# KiCad board rivasmario 96% Hotswap Rp2040.kicad_pcb (continued)
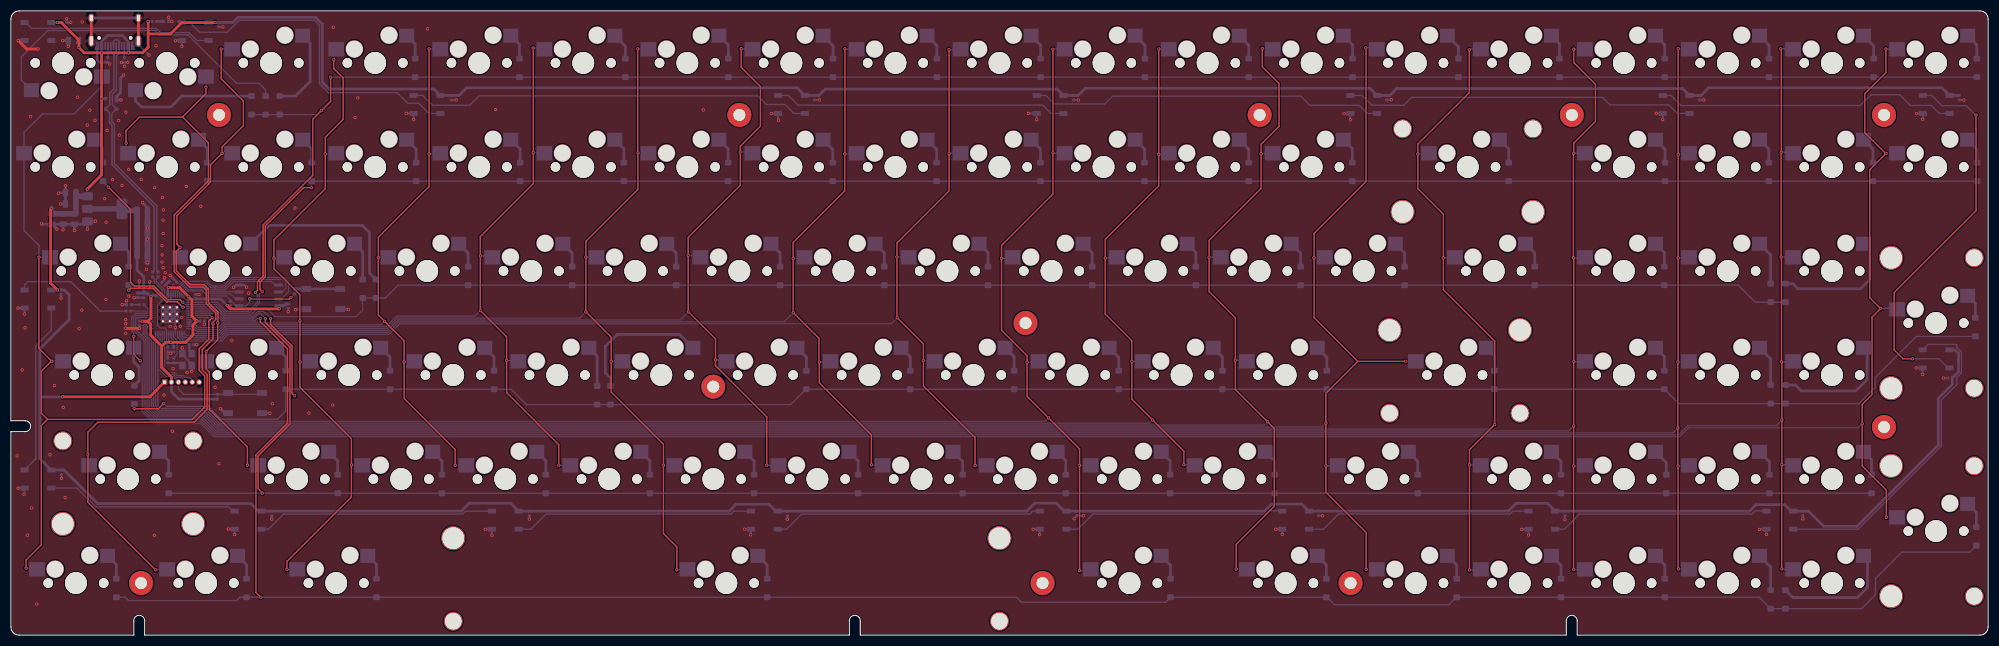
[diagram p0: board, top side]
## Footprints (pads in the part's own frame, mm; a bottom-side part is the same pattern mirrored in y, then rotated) (continued)
  round 4 hole 4 unplated: (0,0)
  rect 2.89x2.63 smd: 1(7.125,2.505)
  rect 2.74x2.57 smd: 2(-5.78,4.985)
USB_C_Receptacle_HRO_TYPE-C-31-M-12
  round 0.65 hole 0.65 unplated: (-2.89,2.6) (2.89,2.6)
  rect 0.6x1.45 smd: A1(-3.25,4.045) A4(-2.45,4.045) A9(2.45,4.045) A12(3.25,4.045) B1(3.25,4.045) B4(2.45,4.045) B9(-2.45,4.045) B12(-3.25,4.045)
  rect 0.3x1.45 smd: A5(-1.25,4.045) A6(-0.25,4.045) A7(0.25,4.045) A8(1.25,4.045) B5(1.75,4.045) B6(0.75,4.045) B7(-0.75,4.045) B8(-1.75,4.045)
  oval 1x1.6 hole 0.6x1.2: S1(-4.32,-1.05) S1(4.32,-1.05)
  oval 1x2.1 hole 0.6x1.7: S1(-4.32,3.13) S1(4.32,3.13)

## Nets
+1V1: C33.1 C34.1 C35.1 U4.23 U4.45 U4.50
+3V3: C1.1 C2.1 C3.1 C4.1 C5.1 C17.1 C18.1 C36.1 C37.1 C38.1 C39.1 C40.1 C41.1 C42.1 C43.1 J9.2 R21.1 R22.2 U1.2 U3.8 U4.1 U4.10 U4.22 U4.33 U4.42 U4.43 U4.44 U4.48 U4.49
+5V: C6.2 C7.2 C8.2 C9.2 C10.1 C11.2 C12.2 C13.2 C14.2 C15.2 C16.2 C19.2 C20.2 C21.2 C22.2 C23.2 C24.2 C25.2 C26.2 C27.1 C29.1 C30.1 C31.1 C32.1 ESD1.4 J4.A4 J4.A9 J4.B4 J4.B9 J9.1 LED1.1 LED2.1 LED3.1 LED4.1 LED5.1 LED6.1 LED7.1 LED8.1 LED9.1 LED10.1 LED11.1 LED12.1 LED13.1 LED14.1 LED15.1 LED16.1 LED17.1 LED18.1 R17.1 U1.3
GND: Boot1.2 C1.2 C2.2 C3.2 C4.2 C5.2 C6.1 C7.1 C8.1 C9.1 C10.2 C11.1 C12.1 C13.1 C14.1 C15.1 C16.1 C17.2 C18.2 C19.1 C20.1 C21.1 C22.1 C23.1 C24.1 C25.1 C26.1 C27.2 C29.2 C30.2 C31.2 C32.2 C33.2 C34.2 C35.2 C36.2 C37.2 C38.2 C39.2 C40.2 C41.2 C42.2 C43.2 C44.2 C45.1 ESD1.1 J4.A1 J4.A12 J4.B1 J4.B12 J4.S1 J9.6 LED1.3 LED2.3 LED3.3 LED4.3 LED5.3 LED6.3 LED7.3 LED8.3 LED9.3 LED10.3 LED11.3 LED12.3 LED13.3 LED14.3 LED15.3 LED16.3 LED17.3 LED18.3 Pwr1.1 R18.1 R19.1 RST1.2 Test1.1 U1.1 U3.4 U4.19 U4.57 Y1.2 Y1.4
/SWDCLK: J9.5 U4.24
/SWDIO: J9.4 U4.25
Col0: MX1.1 MX15.1 MX16.1 MX31.1 MX59.1 U4.8
Col1: MX2.1 MX45.1 MX57.1 MX60.1 U4.9
Col2: MX3.1 MX17.1 MX32.1 MX46.1 MX69.1 U4.11
Col3: MX4.1 MX18.1 MX33.1 MX47.1 MX61.1 MX70.1 U4.12
Col4: MX5.1 MX19.1 MX34.1 MX48.1 MX71.1 U4.13
Col5: MX6.1 MX20.1 MX35.1 MX49.1 MX72.1 U4.14
Col6: MX7.1 MX21.1 MX36.1 MX50.1 MX62.1 MX86.1 U4.15
Col7: MX8.1 MX22.1 MX37.1 MX51.1 MX74.1 U4.16
Col8: MX9.1 MX23.1 MX38.1 MX52.1 MX75.1 U4.17
Col9: MX10.1 MX24.1 MX39.1 MX53.1 MX76.1 U4.18
Col10: MX11.1 MX25.1 MX40.1 MX54.1 MX63.1 MX81.1 U4.27
Col11: MX12.1 MX26.1 MX41.1 MX55.1 MX78.1 U4.28
Col12: MX13.1 MX27.1 MX42.1 MX64.1 MX79.1 U4.29
Col13: MX28.1 MX43.1 MX56.1 MX65.1 MX68.1 U4.30
Col14: MX14.1 MX29.1 MX66.1 MX80.1 MX89.1 U4.31
Col15: MX44.1 MX67.1 MX82.1 MX85.1 MX90.1 MX96.1 U4.32
Col16: MX30.1 MX73.1 MX83.1 MX91.1 MX93.1 MX97.1 U4.34
Col17: MX58.1 MX77.1 MX84.1 MX92.1 MX94.1 MX98.1 U4.35
Col18: MX87.1 MX88.1 MX95.1 MX99.1 U4.36
DN: ESD1.3 J4.A7 J4.B7 R26.2
DP: ESD1.2 J4.A6 J4.B6 R25.2
QSPI_DATA0: U3.5 U4.53
QSPI_DATA1: U3.2 U4.55
QSPI_DATA2: U3.3 U4.54
QSPI_DATA3: U3.7 U4.51
QSPI_SCLK: U3.6 U4.52
QSPI_SS: R20.2 R22.1 U3.1 U4.56
RESET: J9.3 R21.2 RST1.1 U4.26
RGB_Underglow: R2.1 U4.37
Row0: D15.1 D30.1 D44.1 D57.1 D58.1 D71.1 D73.1 D74.1 D75.1 D76.1 D78.1 D79.1 D80.1 D81.1 D82.1 D83.1 D84.1 D88.1 D89.1 U4.2
Row1: D1.1 D2.1 D3.1 D4.1 D5.1 D6.1 D7.1 D8.1 D9.1 D10.1 D11.1 D12.1 D13.1 D14.1 D68.1 D69.1 D72.1 D90.1 U4.3
Row2: D16.1 D17.1 D18.1 D19.1 D20.1 D21.1 D22.1 D23.1 D24.1 D25.1 D26.1 D27.1 D28.1 D29.1 D77.1 D85.1 D86.1 U4.4
Row3: D31.1 D32.1 D33.1 D34.1 D35.1 D36.1 D37.1 D38.1 D39.1 D40.1 D41.1 D42.1 D43.1 D92.1 D95.1 D96.1 D97.1 U4.5
Row4: D45.1 D46.1 D47.1 D48.1 D49.1 D50.1 D51.1 D52.1 D53.1 D54.1 D55.1 D56.1 D91.1 D98.1 D99.1 D100.1 U4.6
Row5: D59.1 D60.1 D61.1 D62.1 D63.1 D64.1 D66.1 D67.1 D87.1 D93.1 D94.1 D101.1 U4.7
Net-(Boot1-A): Boot1.1 R20.1
Net-(C45-Pad2): C45.2 R27.1 Y1.3
Net-(D1-A): D1.2 MX1.2
Net-(D2-A): D2.2 MX2.2
Net-(D3-A): D3.2 MX3.2
Net-(D4-A): D4.2 MX4.2
Net-(D5-A): D5.2 MX5.2
Net-(D6-A): D6.2 MX6.2
Net-(D7-A): D7.2 MX7.2
Net-(D8-A): D8.2 MX8.2
Net-(D9-A): D9.2 MX9.2
Net-(D10-A): D10.2 MX10.2
Net-(D11-A): D11.2 MX11.2
Net-(D12-A): D12.2 MX12.2
Net-(D13-A): D13.2 MX13.2
Net-(D14-A): D14.2 MX14.2
Net-(D15-A): D15.2 MX68.2
Net-(D16-A): D16.2 MX16.2
Net-(D17-A): D17.2 MX17.2
Net-(D18-A): D18.2 MX18.2
Net-(D19-A): D19.2 MX19.2
Net-(D20-A): D20.2 MX20.2
Net-(D21-A): D21.2 MX21.2
Net-(D22-A): D22.2 MX22.2
Net-(D23-A): D23.2 MX23.2
Net-(D24-A): D24.2 MX24.2
Net-(D25-A): D25.2 MX25.2
Net-(D26-A): D26.2 MX26.2
Net-(D27-A): D27.2 MX27.2
Net-(D28-A): D28.2 MX28.2
Net-(D29-A): D29.2 MX29.2
Net-(D30-A): D30.2 MX30.2
Net-(D31-A): D31.2 MX31.2
Net-(D32-A): D32.2 MX32.2
Net-(D33-A): D33.2 MX33.2
Net-(D34-A): D34.2 MX34.2
Net-(D35-A): D35.2 MX35.2
Net-(D36-A): D36.2 MX36.2
Net-(D37-A): D37.2 MX37.2
Net-(D38-A): D38.2 MX38.2
Net-(D39-A): D39.2 MX39.2
Net-(D40-A): D40.2 MX40.2
Net-(D41-A): D41.2 MX41.2
Net-(D42-A): D42.2 MX42.2
Net-(D43-A): D43.2 MX43.2
Net-(D44-A): D44.2 MX44.2
Net-(D45-A): D45.2 MX45.2
Net-(D46-A): D46.2 MX46.2
Net-(D47-A): D47.2 MX47.2
Net-(D48-A): D48.2 MX48.2
Net-(D49-A): D49.2 MX49.2
Net-(D50-A): D50.2 MX50.2
Net-(D51-A): D51.2 MX51.2
Net-(D52-A): D52.2 MX52.2
Net-(D53-A): D53.2 MX53.2
Net-(D54-A): D54.2 MX54.2
Net-(D55-A): D55.2 MX55.2
Net-(D56-A): D56.2 MX56.2
Net-(D57-A): D57.2 MX57.2
Net-(D58-A): D58.2 MX58.2
Net-(D59-A): D59.2 MX59.2
Net-(D60-A): D60.2 MX60.2
Net-(D61-A): D61.2 MX61.2
Net-(D62-A): D62.2 MX62.2
Net-(D63-A): D63.2 MX63.2
Net-(D64-A): D64.2 MX64.2
Net-(D66-A): D66.2 MX65.2
Net-(D67-A): D67.2 MX66.2
Net-(D68-A): D68.2 MX67.2
Net-(D69-A): D69.2 MX73.2
Net-(D71-A): D71.2 MX15.2
Net-(D72-A): D72.2 MX77.2
Net-(D73-A): D73.2 MX69.2
Net-(D74-A): D74.2 MX70.2
Net-(D75-A): D75.2 MX71.2
Net-(D76-A): D76.2 MX72.2
Net-(D77-A): D77.2 MX82.2
Net-(D78-A): D78.2 MX74.2
Net-(D79-A): D79.2 MX75.2
Net-(D80-A): D80.2 MX76.2
Net-(D81-A): D81.2 MX81.2
Net-(D82-A): D82.2 MX78.2
Net-(D83-A): D83.2 MX79.2
Net-(D84-A): D84.2 MX80.2
Net-(D85-A): D85.2 MX83.2
Net-(D86-A): D86.2 MX84.2
Net-(D87-A): D87.2 MX85.2
Net-(D88-A): D88.2 MX86.2
Net-(D89-A): D89.2 MX87.2
Net-(D90-A): D90.2 MX88.2
Net-(D91-A): D91.2 MX89.2
Net-(D92-A): D92.2 MX90.2
Net-(D93-A): D93.2 MX91.2
Net-(D94-A): D94.2 MX92.2
Net-(D95-A): D95.2 MX93.2
Net-(D96-A): D96.2 MX94.2
Net-(D97-A): D97.2 MX95.2
Net-(D98-A): D98.2 MX96.2
Net-(D99-A): D99.2 MX97.2
Net-(D100-A): D100.2 MX98.2
Net-(D101-A): D101.2 MX99.2
Net-(J4-CC1): J4.A5 R18.2
Net-(J4-CC2): J4.B5 R19.2
Net-(LED1-DIN): LED1.4 R2.2
Net-(LED1-DOUT): LED1.2 LED2.4
Net-(LED2-DOUT): LED2.2 LED3.4
Net-(LED3-DOUT): LED3.2 LED4.4
Net-(LED4-DOUT): LED4.2 LED5.4
Net-(LED5-DOUT): LED5.2 LED6.4
Net-(LED6-DOUT): LED6.2 LED7.4
Net-(LED7-DOUT): LED7.2 LED8.4
Net-(LED8-DOUT): LED8.2 LED9.4
Net-(LED10-DIN): LED9.2 LED10.4
Net-(LED10-DOUT): LED10.2 LED11.4
Net-(LED11-DOUT): LED11.2 LED12.4
Net-(LED12-DOUT): LED12.2 LED13.4
Net-(LED13-DOUT): LED13.2 LED14.4
Net-(LED14-DOUT): LED14.2 LED15.4
Net-(LED15-DOUT): LED15.2 LED16.4
Net-(LED16-DOUT): LED16.2 LED17.4
Net-(LED17-DOUT): LED17.2 LED18.4
Net-(Pwr1-A): Pwr1.2 R17.2
Net-(Test1-A): R1.2 Test1.2
Net-(U4-GPIO26_ADC0): R1.1 U4.38
Net-(U4-USB_DM): R26.1 U4.46
Net-(U4-USB_DP): R25.1 U4.47
Net-(U4-XIN): C44.1 U4.20 Y1.1
Net-(U4-XOUT): R27.2 U4.21

Pads without a net: H1 1; H2 1; H3 1; H4 1; H5 1; H6 1; H7 1; H8 1; H9 1; H10 1; H11 1; J4 A8 B8; LED18 2; U4 39 40 41

## Via types
v1: diameter 0.6, hole 0.3, Top to Bottom, 330 vias

## Routing (per net, layer and track width the routed paths; a pad name or vN(x,y) marks a point on that pad's centre or on a via; arc(x,y) is an arc through that point)
+1V1: length 17.6
  Bottom w0.2: C34.1 28.7,53.13 28.51,53.32 28.51,55.29 ; 27.71,61.3 27.3,61.71 U4.45 27.3,62.86 26.7,63.46 C33.1 ; 27.71,61.3 26.81,60.41 26.81,56.73 27.29,56.25 28.17,56.25 28.5,55.92 28.5,55.28 ; 27.71,61.3 28.9,61.3 29.3,61.7 U4.50 29.3,63.11 29.35,63.16 29.35,63.17 29.78,63.6 C35.1
+3V3: length 111.4
  Top w0.5: v1(24.08,57.46) 25.04,57.46 ; 25.04,57.46 25.59,56.91 25.59,54.9 27.6,52.89 ; 25.04,57.46 25.63,58.05 v1(25.63,61.95) ; v1(39.6,60.34) 40.21,59.73 49.08,59.73 v1(49.1,59.75) ; 27.6,52.89 28.33,53.62 v1(29.25,53.62) 31.98,53.62 33.32,54.96 33.32,56.78 v1(34.05,57.51) 34,57.51 33.13,58.38 33.13,61.37 v1(32.51,61.99) 30.88,63.62 v1(28.82,63.62) ; 27.6,52.89 27.6,49.03 29.39,47.24 J9.2
  Bottom w0.2: v1(24.08,57.46) 24.11,57.46 24.39,57.74 U4.33 ; v1(34.05,57.51) 33.66,57.51 33.44,57.74 U4.10 ; U4.48 U4.49 ; v1(29.25,53.62) 28.9,53.97 U4.22
  Bottom w0.5: C38.1 29.8,53.07 v1(29.25,53.62) ; v1(25.63,61.95) 24.95,62.63 C41.1 ; v1(25.63,61.95) 25.92,62.24 26.73,62.24 ; v1(25.63,61.95) 25.63,61.48 ; 28.75,62.02 28.71,62.02 28.72,62.03 28.72,63.52 v1(28.82,63.62) 28.4,64.04 C5.1 C42.1 ; U3.8 49,59.85 v1(49.1,59.75) 49.1,60.19 U3.8 ; U3.8 49.96,60.29 50.3,60.63 50.67,60.63 ; C41.1 C43.1 ; C41.1 C40.1 24.32,65.59 23.09,66.82 C4.1 ; 20.34,78.03 U1.2 20.32,76.98 ; R22.2 40.13,60.34 v1(39.6,60.34) 38.39,61.55 C36.1 32.59,61.55 32.51,61.47 ; C39.1 24.03,57.51 v1(24.08,57.46) ; v1(32.51,61.99) 32.51,61.47 ; 32.51,61.47 32.5,61.46 ; R21.1 30.72,43.22 29.39,44.54 J9.2 ; v1(34.05,57.51) C37.1
  Bottom w1: C4.1 C17.1 20.6,77.77 U1.2 U1.2
+5V: length 901.9
  Top w0.5: v1(37.36,112.17) 37.34,112.15 31.26,112.15 29.18,110.07 25.12,110.07 ; v1(16.59,106.62) 21.51,106.62 v1(21.52,106.63) 24.11,106.63 25.12,107.64 25.12,110.07 ; v1(16.59,106.62) v1(16.59,98.2) 16.59,84.3 v1(13.96,81.67) ; v1(16.59,106.62) 13.41,106.62 12.44,107.59 v1(12.44,107.6) 12.44,108.94 9.2,112.18 v1(8.48,112.18) ; v1(8.52,63.19) 7.26,64.45 7.26,77.96 v1(7.48,78.18) ; 25.12,110.07 v1(25.12,112.39) ; J9.1 25.42,43.62 v1(9.43,43.62)
  Bottom w0.381: 21.02,109.14 21.48,108.69 J4.A9 ; J4.A4 16.57,108.66 17.05,109.13
  Bottom w0.5: J4.A4 16.59,107.89 v1(16.59,106.62) ; C14.2 355.38,47.2 ; LED18.1 8.47,112.17 v1(8.48,112.18) C6.2 ; U1.3 13.96,80.41 v1(13.96,81.67) 14.02,81.61 ; v1(16.59,98.2) 17.31,98.2 ESD1.4 ; 21.02,109.14 20.38,109.78 17.7,109.78 17.05,109.13 ; v1(9.43,43.62) 9.4,43.59 5.3,43.59 ; LED17.1 v1(37.36,112.17) 38,112.17 C7.2 40.64,112.19 41.56,113.12 55.78,113.12 57.01,111.89 57.01,101.27 58.27,100 77.43,100 LED16.1 82.02,98.82 83.42,100.22 143.92,100.22 LED15.1 147.9,98.82 149.06,99.98 191.53,99.98 LED14.1 195.37,98.82 196.69,100.14 248.78,100.14 LED13.1 252.42,98.82 253.68,100.08 306.04,100.08 LED12.1 309.42,98.82 310.82,100.22 353.5,100.22 LED11.1 ; 354.98,98.74 LED11.1 ; LED11.1 356.59,98.82 ; LED1.1 v1(8.52,63.19) 9.77,63.19 10.65,62.31 10.65,57.76 5.3,52.41 5.3,32.31 LED2.1 9.72,30.23 15.86,24.08 43.93,24.08 45.32,22.69 LED3.1 82.45,22.69 83.9,24.14 91.49,24.14 LED4.1 131.47,22.69 132.74,23.96 138.74,23.96 140.01,22.69 LED5.1 185.96,22.69 187.44,24.17 191.35,24.17 192.83,22.69 LED6.1 229.48,22.69 230.78,23.99 236.32,23.99 LED7.1 274.11,22.69 275.55,24.13 281.27,24.13 LED8.1 318.28,22.69 319.46,23.87 324.72,23.87 325.9,22.69 LED9.1 329.07,22.69 331.84,19.92 337.95,19.92 352.83,34.8 352.83,43.35 355.39,45.91 355.39,47.08 356.55,48.24 356.55,51.63 355.96,52.22 LED10.1 ; 11.99,80.35 11.9,80.26 11.9,79.73 11.88,79.71 11.88,77.41 C32.1 7.54,77.15 7.25,77.44 7.25,77.95 v1(7.48,78.18) ; v1(21.52,106.63) 21.52,107.86 J4.A9 ; v1(12.44,107.6) 12.44,108.13 12.41,108.16 C27.1 ; R17.1 v1(25.12,112.39) ; C31.1 C10.1
  Bottom w1: C10.1 11.9,77.43 C32.1 C30.1 v1(7.48,78.18) ; U1.3 11.99,80.35
GND: length 168.2
  Top w0.5: v1(23.51,56.18) v1(21.01,56.18) ; J4.S1 J4.S1 ; J4.S1 J4.S1 ; v1(1.33,108.89) 2.89,107.33 v1(4.95,107.33)
  Bottom w0.2: v1(30.1,56.36) U4.19 ; 24.18,61.65 C41.2 ; v1(23.51,56.18) 23.51,56.67
  Bottom w0.254: 35.42,57.45 35.42,56.98 35.41,56.97 v1(35.41,56.93)
  Bottom w0.381: v1(9.18,61.7) 9.17,61.71 C16.1 ; J4.S1 22.43,107.91 J4.A12 23.58,107.91 v1(25.28,106.2) ; v1(301.22,95.54) 301.24,95.52 LED12.3 v1(302.4,94.37) ; v1(25.4,64.7) 25.4,64.46 C33.2 ; v1(30.1,56.36) 30.1,57.74 U4.57 ; v1(47.73,21.25) 47.74,21.26 C19.1 ; v1(43.13,63.69) 42.72,64.1 U3.4 41.21,64.1 v1(40.76,63.65) ; C9.1 142.14,21.21 v1(142.12,21.19) ; v1(348.77,48.91) 348.78,48.92 LED10.3 349.97,47.73 v1(349.98,47.72) ; v1(140.52,94.28) 140.42,94.38 LED15.3 139.21,95.52 v1(139.2,95.51) ; C8.1 240.1,21.86 v1(240.11,21.85) ; v1(9.23,28.68) 9.24,28.69 C25.1 ; C34.2 28.96,51.86 v1(29.24,51.58) ; C34.2 C45.1 ; C34.2 C38.2 ; v1(349.99,94.44) 350,94.45 LED11.3 348.88,95.52 v1(348.86,95.5) ; v1(1.29,26.91) 1.3,26.93 2.48,26.93 2.48,25.84 v1(2.4,25.76) ; v1(309.91,97.99) 309.9,98 C11.1 ; v1(73.73,94.41) 73.71,94.43 LED16.3 72.38,95.52 v1(72.36,95.54) ; C41.2 C43.2 22.57,61.79 v1(22.55,61.77) ; C35.2 30.37,64.63 C42.2 29.6,65.4 v1(29.14,65.85) ; v1(196.33,21.86) C15.1 195.06,21.72 v1(194.64,21.3) ; C5.2 28.12,65.11 v1(28.12,65.43) ; C21.1 195.39,97.99 v1(195.42,97.96) ; C7.1 38.78,111.35 v1(38.8,111.37) ; v1(276.57,19.36) 276.6,19.39 LED8.3 277.81,18.35 v1(277.82,18.34) ; v1(244.04,95.49) 244.07,95.52 LED13.3 245.2,94.39 v1(245.23,94.36) ; v1(40.95,18.41) LED3.3 39.81,19.39 v1(39.79,19.41) ; v1(20.79,104.15) 20.76,104.18 R19.1 20.25,104.88 v1(20.22,104.85) ; v1(357.51,97.96) 357.48,97.99 C20.1 ; v1(81.52,97.99) 81.51,97.98 C22.1 ; v1(23.48,64.85) C40.2 ; v1(34.43,62.37) 33.86,62.37 C36.2 ; v1(232.73,18.44) 232.72,18.45 LED7.3 231.56,19.39 v1(231.55,19.38) ; v1(187.14,19.37) 187.16,19.39 LED6.3 188.34,18.42 v1(188.31,18.39) ; v1(31.3,107.81) 31.28,107.83 LED17.3 30.15,108.87 v1(30.12,108.84) ; 16.59,104.89 16.23,104.89 15.77,105.35 J4.A1 ; v1(86.83,19.36) 86.86,19.39 LED4.3 88.04,18.3 v1(88.05,18.28) ; v1(21.17,61.24) 21.15,61.22 Test1.1 20.39,60.5 v1(20.36,60.53) ; C23.1 v1(328.04,21.28) ; v1(135.4,18.36) 135.47,18.43 LED5.3 134.32,19.39 v1(134.31,19.4) ; C26.1 v1(94.91,21.23) ; C24.1 v1(284.48,21.09) ; C14.1 353.8,47.07 v1(353.79,47.06) ; v1(320.11,19.34) 320.16,19.39 LED9.3 v1(321.37,18.44) ; Y1.2 33.09,49.65 31.39,51.35 Y1.4 31.39,52.59 v1(31.37,52.61) ; C44.2 33.99,53.16 v1(34.02,53.19) ; v1(2.45,58.77) 2.48,58.8 LED1.3 1.31,59.89 v1(1.29,59.87) ; v1(186.26,95.54) 186.28,95.52 LED14.3 187.79,94.38 v1(187.8,94.37) ; C12.1 252.67,97.99 v1(252.7,98.02) ; C13.1 v1(148.02,97.99)
  Bottom w0.5: C17.2 24.99,78.29 v1(24.09,79.19) ; v1(11.67,74.1) 11.62,74.15 C32.2 ; v1(5.6,75.32) 5.67,75.25 C30.2 ; v1(38.35,41.44) 39.15,40.64 RST1.2 ; C32.2 C30.2 ; C32.2 13.52,75.25 U1.1 ; RST1.2 47.38,40.64 v1(47.41,40.61) ; v1(20.63,102.57) 20.06,102 20.06,99.36 19.33,98.63 ESD1.1 20.15,98.02 v1(20.17,98) ; J4.S1 J4.S1 ; U1.1 15.45,75.75 v1(15.49,75.79) ; U1.1 v1(14.02,74.36) ; v1(1.33,108.89) 1.35,108.87 LED18.3 ; v1(50.76,59.21) 50.79,59.24 C18.2 ; v1(9.98,82.29) 10,82.27 C10.2 ; C10.2 C31.2 v1(9.09,78.96) ; C10.2 8.79,81 v1(8.7,80.91) ; v1(18.07,104.57) 17.76,104.88 R18.1 17.73,104.89 16.59,104.89 ; R19.1 v1(21.39,104.88) 21.39,104.88 ; v1(29.45,112.38) Pwr1.1 v1(28.88,113.12) ; v1(9.52,74.2) 9.56,74.24 C29.2 ; 53.99,59.78 Boot1.2 52.23,59.69 v1(52.11,59.57) ; v1(9.48,108.85) C27.2 10.51,107.82 v1(10.49,107.8) ; v1(30.1,56.36) 30.1,56.16 ; v1(33.09,48.29) Y1.2 ; Boot1.2 61.71,59.69 v1(61.78,59.62) ; v1(10.19,112.88) 10.2,112.87 C6.1 10.93,112.18 v1(10.94,112.19) ; C30.2 8.39,74.34 v1(8.41,74.34) ; J4.S1 15.62,107.91 J4.A1
  Bottom w1: C17.2 C4.2 24.99,68.23 v1(24.96,68.2)
  vias: v1(1.14,32.8) v1(2.08,48.56) v1(2.59,56.25) v1(3.03,18.29) v1(3.6,94.96) v1(3.79,23.3) v1(4.73,5.68) v1(7.15,33.03) v1(7.97,45.68) v1(9.57,41.71) v1(9.92,25.17) v1(12.19,98.48) v1(12.48,56.1) v1(12.96,59.5) v1(13.05,112.29) v1(13.98,93.4) v1(14.43,96.12) v1(15.39,94.27) v1(17.16,79.92) v1(17.42,75.59) v1(17.39,61.45) v1(17.61,92.43) v1(18.59,83.42) v1(19.7,94.22) v1(19.85,91.55) v1(20.34,82.33) v1(21.01,57.77) v1(21.01,57) v1(21.01,55.28) v1(21.04,95.76) v1(21.57,85.26) v1(21.59,62.06) v1(23.86,83.44) v1(24.81,66.98) v1(24.97,74.56) v1(24.95,72.48) v1(26.31,81.94) v1(26.26,18.24) v1(26.56,107.91) v1(27.73,80.14) v1(27.65,71.31) v1(27.67,69.62) v1(27.66,68.31) v1(27.9,77.87) v1(27.85,76) v1(27.87,73.54) v1(27.85,67.29) v1(28.03,43.94) v1(28.24,66.34) v1(29.14,56.54) v1(29.55,37.33) v1(29.68,48.78) v1(31.01,56.55) v1(31.24,58.17) v1(32.1,82.16) v1(32.26,48.11) v1(34.75,78.53) v1(37.38,45.37) v1(38.09,31.36) v1(40.46,53.98) v1(43.51,62.62) v1(47.85,42.35) v1(51.99,78.19) v1(54.55,40.64) v1(58.91,42.1) v1(59.02,111.3) v1(62.99,94.77) v1(63.49,98.35) v1(76.27,111.02) v1(88.72,96.22) v1(126.74,96.17)
/SWDCLK: length 12.9
  Bottom w0.2: U4.24 28.1,48.75 28.82,48.03 29.94,48.03 30.45,47.52 31.51,47.52 31.85,47.18 32.69,47.18 33.2,46.67 J9.5
/SWDIO: length 11.9
  Bottom w0.2: J9.4 31.93,46.46 31.22,47.17 30.31,47.17 29.8,47.68 28.63,47.68 27.7,48.61 U4.25
Col0: length 162.8
  Top w0.254: v1(36.83,58.11) 36.22,57.5 36.22,54.19 34.46,52.43 34.46,48.49 35.47,47.48 35.47,41.78 33.2,39.5 6.69,39.5 ; 6.69,39.5 5.56,38.37 5.56,16.54 2.78,13.76 v1(2.78,12.25) ; 6.69,39.5 5.58,40.61 5.58,48.33 7.4,50.15 v1(7.48,50.15) 5.12,52.51 v1(5.12,69.19)
  Bottom w0.2: v1(36.83,58.11) 36.83,58.18 36.48,58.54 U4.8
  Bottom w0.254: MX59.1 4.56,12.25 v1(2.78,12.25) ; MX1.1 2.4,74.09 5.12,71.36 v1(5.12,69.19) 7.15,69.19 MX16.1 ; MX1.1 2.4,92.06 5.76,95.42 11.53,95.42 16.65,100.54 MX15.1 ; MX1.1 2.18,88.45 ; v1(7.48,50.15) 9.52,50.15 MX31.1
Col1: length 152.1
  Top w0.254: v1(26.49,11.95) 26.46,11.95 14.08,24.33 v1(14.08,33.09) 14.08,37.15 15.91,38.98 33.54,38.98 35.92,41.36 35.92,47.72 35.02,48.62 35.02,52.26 36.98,54.22 36.98,56.98 v1(37,57) 37,57.3 37.5,57.8 37.5,58.95 35.75,60.7 35.75,63.2 35.23,63.72 32.7,63.72 29.88,66.54 29.88,76.94 36.14,83.2 36.14,90.17 31.43,94.89 ; 31.43,94.89 31.4,94.86 23.54,94.86 21.08,92.4 v1(21.08,90.07) ; 31.43,94.89 35.69,99.15 v1(35.69,100.31)
  Bottom w0.2: U4.9 35.92,58.14 37,57.05 v1(37,57)
  Bottom w0.254: v1(21.08,90.07) 21.08,88.6 MX2.1 ; MX60.1 26.57,12.03 v1(26.49,11.95) ; v1(14.08,33.09) 14.07,33.08 14.07,31.31 MX45.1 ; v1(35.69,100.31) 35.7,100.32 MX57.1
Col2: length 108
  Top w0.254: v1(38.49,107.31) 38.49,101.85 42.55,97.79 42.55,93.29 38.66,89.4 v1(38.66,88.23) 36.55,86.12 36.55,83.04 36.23,82.72 36.23,82.63 30.39,76.79 30.39,71.59 v1(30.99,70.99) 30.29,70.29 30.29,66.71 32.81,64.18 35.34,64.18 36.16,63.37 36.16,60.87 37.91,59.12 37.91,57.21 v1(37.87,57.17) ; v1(37.87,57.17) 37.85,57.15 37.85,54.05 v1(35.75,51.95) 35.75,48.69 36.34,48.1 36.34,41.38 43.29,34.43 v1(43.29,31.12) ; v1(37.87,57.17) 37.9,57.14
  Bottom w0.2: v1(37.87,57.17) 37.87,56.77 37.4,56.3 34.31,56.3 33.28,57.34 U4.11
  Bottom w0.254: v1(38.66,88.23) 40.5,88.23 MX3.1 ; MX69.1 38.53,107.28 v1(38.49,107.31) ; v1(30.99,70.99) 30.98,70.98 MX17.1 ; MX46.1 43.34,31.08 v1(43.29,31.12) ; MX32.1 35.74,51.94 v1(35.75,51.95)
Col3: length 143.5
  Top w0.254: v1(50.52,12.01) 50.52,13.5 62.33,25.31 v1(62.33,31.14) 62.33,35.95 52.91,45.37 v1(52.91,50.05) v1(52.91,57.58) 52.91,62.32 48.15,67.08 v1(48.15,69.01) 48.15,72.35 57.54,81.74 v1(57.54,88.12) 57.54,91.16 60.82,94.44 60.82,102 59.1,103.72 v1(59.1,105.38)
  Bottom w0.2: v1(52.91,57.58) 52.85,57.52 52.85,57.48 52.54,57.17 38.87,57.17 37.64,55.94 34.14,55.94 33.15,56.94 U4.12
  Bottom w0.254: v1(59.1,105.38) 59.1,106.83 MX70.1 ; MX18.1 49.79,68.94 48.22,68.94 v1(48.15,69.01) ; v1(52.91,50.05) 54.71,50.05 MX33.1 ; v1(62.33,31.14) 64.25,31.14 MX47.1 ; v1(50.52,12.01) 52.4,12.01 MX61.1 ; v1(57.54,88.12) 59.44,88.12 MX4.1
Col4: length 133
  Top w0.254: v1(76.55,107.34) 76.55,88.1 v1(76.54,88.09) 76.54,82.12 67.27,72.85 67.27,69.14 v1(67.25,69.12) 67.25,58.6 v1(68.39,57.47) 71.97,53.88 v1(71.97,50.04) 71.97,43.34 81.32,33.99 v1(81.32,31.06)
  Bottom w0.2: v1(68.39,57.47) 67.74,56.82 39.06,56.82 37.83,55.59 33.98,55.59 33.04,56.54 U4.13
  Bottom w0.254: MX71.1 76.62,107.28 v1(76.55,107.34) ; v1(67.25,69.12) 69.02,69.12 MX19.1 ; v1(71.97,50.04) 73.75,50.04 MX34.1 ; MX5.1 78.46,88.09 v1(76.54,88.09) ; MX48.1 83.35,31.06 v1(81.32,31.06)
Col5: length 152.8
  Top w0.254: v1(100.29,31.06) 100.29,34.85 90.74,44.4 v1(90.74,50.26) 90.74,54.62 v1(85.93,59.43) v1(85.93,69.45) 85.93,72.98 95.62,82.67 v1(95.62,88.36) 95.62,107.48 v1(95.59,107.51)
  Bottom w0.2: U4.14 32.78,56.14 33.67,55.24 37.97,55.24 39.2,56.47 68.67,56.47 70.61,58.41 84.91,58.41 v1(85.93,59.43)
  Bottom w0.254: MX72.1 97.42,107.51 v1(95.59,107.51) ; MX35.1 92.75,50.26 v1(90.74,50.26) ; v1(85.93,69.45) 87.85,69.45 MX20.1 ; v1(95.62,88.36) 97.52,88.36 MX6.1 ; MX49.1 100.31,31.08 v1(100.29,31.06)
Col6: length 193.7
  Top w0.254: v1(121.9,11.95) 121.9,16.14 119.45,18.59 v1(119.45,31.07) 119.45,34.94 109.89,44.5 v1(109.89,50.12) 109.89,54.55 v1(105.25,59.19) v1(105.25,69.2) 105.25,72.1 114.78,81.63 v1(114.78,88.29) 114.74,88.33 v1(114.74,107.34)
  Bottom w0.2: v1(105.25,59.19) 104.11,58.05 70.75,58.05 68.82,56.12 39.35,56.12 38.12,54.89 32.09,54.89 31.7,55.28 31.7,55.3 U4.15
  Bottom w0.254: v1(109.89,50.12) 111.93,50.12 MX36.1 ; v1(114.74,107.34) 114.81,107.28 MX86.1 ; v1(121.9,11.95) 123.77,11.95 MX62.1 ; v1(114.78,88.29) 116.64,88.29 MX7.1 ; MX21.1 107.15,69.2 v1(105.25,69.2) ; MX50.1 121.46,31.07 v1(119.45,31.07)
Col7: length 196
  Top w0.254: v1(138.36,31.1) 138.36,39.97 128.98,49.35 v1(128.98,50.4) 128.98,54.24 124.03,59.19 v1(124,59.19) 123.99,59.2 v1(123.99,69.52) 123.99,72.83 133.52,82.36 v1(133.52,88.46) 133.52,89.51 137.21,93.2 137.21,100.44 133.69,103.96 v1(133.69,107.37)
  Bottom w0.2: v1(124,59.19) 124,59.18 122.52,57.7 70.89,57.7 68.96,55.77 39.5,55.77 38.8,55.07 38.79,55.07 38.26,54.54 31.52,54.54 31.3,54.76 U4.16 31.3,54.84
  Bottom w0.254: MX22.1 125.88,69.52 v1(123.99,69.52) ; MX51.1 138.39,31.08 v1(138.36,31.1) ; v1(128.98,50.4) 130.71,50.4 MX37.1 ; v1(133.69,107.37) 135.66,107.37 MX74.1 ; MX8.1 135.52,88.46 v1(133.52,88.46)
Col8: length 212.1
  Top w0.254: v1(157.52,31.17) 157.52,36.65 147.99,46.18 v1(147.99,49.98) 147.96,50.01 147.92,50.01 147.92,54.36 143.24,59.04 v1(143.21,59.04) v1(143.21,68.96) 143.21,71.89 152.64,81.32 v1(152.64,88.11) 152.67,88.14 v1(152.67,107.34)
  Bottom w0.2: v1(143.21,59.04) 143.32,58.93 143.1,58.93 141.52,57.35 71.04,57.35 69.11,55.42 39.65,55.42 38.42,54.19 31.38,54.19 30.9,54.67 U4.17
  Bottom w0.254: MX23.1 145.06,68.96 v1(143.21,68.96) ; v1(147.99,49.98) 149.89,49.98 MX38.1 ; MX9.1 154.68,88.11 v1(152.64,88.11) ; MX75.1 152.74,107.28 v1(152.67,107.34) ; MX52.1 159.47,31.17 v1(157.52,31.17)
Col9: length 231.3
  Top w0.254: v1(176.5,31.03) 176.5,36.16 167.04,45.62 v1(167.04,50.26) 167.04,53.31 v1(162.25,58.1) 162.19,58.16 v1(162.19,69.24) 162.19,71.78 171.75,81.34 v1(171.75,88.18) 171.75,107.19 v1(171.73,107.21)
  Bottom w0.2: v1(162.25,58.1) 161.15,57 71.18,57 69.25,55.07 39.79,55.07 38.56,53.84 31.21,53.84 30.5,54.55 U4.18
  Bottom w0.254: MX10.1 171.8,88.23 v1(171.75,88.18) ; v1(162.19,69.24) 164.26,69.24 MX24.1 ; MX39.1 168.95,50.26 v1(167.04,50.26) ; v1(176.5,31.03) 176.55,31.08 MX53.1 ; MX76.1 173.78,107.21 v1(171.73,107.21)
Col10: length 295.9
  Top w0.254: 190.82,107.21 v1(190.76,107.28) 190.76,88.29 v1(190.75,88.28) 190.75,80.76 181.35,71.36 v1(181.35,69) 181.35,55.81 186.03,51.13 v1(186.03,49.95) 186.03,43.7 v1(189.95,39.79) 195.63,34.1 v1(195.63,31.08) 195.63,11.82 v1(195.65,11.8)
  Bottom w0.2: U4.27 26.88,55.28 26.88,42.06 27.43,41.51 36,41.51 38.36,39.15 189.31,39.15 v1(189.95,39.79)
  Bottom w0.254: v1(181.35,69) 183.2,69 MX25.1 ; v1(186.03,49.95) 187.96,49.95 MX40.1 ; v1(195.63,31.08) 197.66,31.08 MX54.1 ; MX11.1 190.81,88.23 v1(190.75,88.28) ; MX81.1 v1(190.76,107.28) 190.75,107.28 ; MX63.1 197.44,11.8 v1(195.65,11.8)
Col11: length 293.5
  Top w0.254: v1(210.13,107.33) 210.13,88.04 v1(210.12,88.03) 210.12,82.26 200.33,72.47 v1(200.33,69.03) 200.33,58.78 205.2,53.91 v1(205.2,50.1) 205.2,43.21 v1(209,39.41) 214.71,33.7 v1(214.71,31.18)
  Bottom w0.2: U4.28 26.48,55.28 26.48,44.83 26.48,41.96 27.28,41.16 35.86,41.16 38.22,38.8 208.39,38.8 v1(209,39.41)
  Bottom w0.254: v1(200.33,69.03) 202.28,69.03 MX26.1 ; MX55.1 216.61,31.18 v1(214.71,31.18) ; MX41.1 207.16,50.1 v1(205.2,50.1) ; MX78.1 210.19,107.28 v1(210.13,107.33) ; v1(210.12,88.03) 211.75,88.03 MX12.1
Col12: length 340.3
  Top w0.254: v1(224.31,12.08) 224.31,16.61 231.27,23.57 231.27,37.85 v1(230.04,39.08) 224.15,44.97 v1(224.15,50.34) 224.15,58.09 219.35,62.89 v1(219.35,69.14) 219.35,72.28 228.86,81.79 v1(228.86,88.16) 228.86,89.89 232.15,93.18 232.15,101 229.08,104.07 229.08,107.25 229.09,107.26 v1(229.09,107.42)
  Bottom w0.2: U4.29 25.6,56.08 25.6,55.18 26.13,54.65 26.13,44.69 26.13,41.82 27.14,40.81 35.71,40.81 38.07,38.45 229.41,38.45 v1(230.04,39.08)
  Bottom w0.254: MX64.1 224.37,12.03 v1(224.31,12.08) ; v1(224.15,50.34) 226.02,50.34 MX42.1 ; v1(229.09,107.42) 230.86,107.42 MX79.1 ; MX13.1 230.93,88.16 v1(228.86,88.16) ; v1(219.35,69.14) 219.46,69.14 219.5,69.18 MX27.1
Col13: length 360.2
  Top w0.254: 246.57,50.13 238.55,58.15 v1(238.55,69.12) 238.55,73.55 248.07,83.07 248.07,107.52 v1(248,107.52) ; 246.57,50.13 240.72,44.28 v1(240.72,38.81) v1(240.72,31.01) 240.72,31.16 240.72,26.17 248.1,18.79 v1(248.1,12.03) ; 246.57,50.13 v1(255.29,50.13)
  Bottom w0.2: v1(240.72,38.81) 240.01,38.1 37.93,38.1 35.57,40.46 26.99,40.46 25.78,41.67 25.78,54.51 24.9,55.39 24.9,56.39 25.05,56.54 U4.30
  Bottom w0.254: v1(255.29,50.13) MX43.1 ; v1(240.72,31.01) 242.84,31.01 MX56.1 ; MX65.1 248.11,12.03 v1(248.1,12.03) ; MX68.1 249.81,107.52 v1(248,107.52) ; v1(238.55,69.12) 240.47,69.12 MX28.1
Col14: length 382.3
  Top w0.254: v1(266.98,107.18) 266.98,99.33 257.56,89.91 v1(257.56,88.09) 257.56,81.74 262.23,77.07 v1(262.23,69.08) 262.23,63.25 271.62,53.86 v1(271.62,38.55) 267.01,33.94 v1(267.01,31.15) 267.01,11.96 v1(266.98,11.93)
  Bottom w0.2: v1(271.62,38.55) 271.29,38.22 271.27,38.22 270.78,37.73 37.8,37.73 35.42,40.11 26.85,40.11 25.43,41.53 25.43,54.36 24.55,55.24 24.55,56.54 24.95,56.94 U4.31
  Bottom w0.254: MX14.1 259.44,88.09 v1(257.56,88.09) ; v1(262.23,69.08) 264.24,69.08 MX29.1 ; MX89.1 269.03,31.15 v1(267.01,31.15) ; MX80.1 267.08,107.28 v1(266.98,107.18) ; v1(266.98,11.93) 269,11.93 MX66.1
Col15: length 391.6
  Top w0.254: v1(286.1,107.29) 286.1,104.82 290.07,100.85 290.07,94.06 286.1,90.09 v1(286.1,88.21) 286.03,88.14 v1(286.03,69.09) 286.1,69.02 v1(286.1,50.07) 286.08,50.05 v1(286.08,38.29) v1(286.08,30.95) 286.07,30.94 v1(286.07,12.03)
  Bottom w0.2: v1(286.08,38.29) 285.17,37.38 37.59,37.38 35.21,39.76 26.7,39.76 25.08,41.38 25.08,54.22 24.2,55.1 24.2,56.68 24.86,57.34 U4.32
  Bottom w0.254: v1(286.1,50.07) 288.09,50.07 MX90.1 ; MX82.1 288.06,69.09 v1(286.03,69.09) ; v1(286.1,88.21) 288.13,88.21 MX67.1 ; v1(286.08,30.95) 288.02,30.95 MX96.1 ; MX44.1 288.14,107.29 v1(286.1,107.29) ; v1(286.07,12.03) MX85.1
Col16: length 410.6
  Top w0.254: v1(305.26,12.11) 305.19,12.18 v1(305.19,30.92) 305.15,30.96 v1(305.15,37.91) v1(305.15,49.97) 305.22,50.04 v1(305.22,69.05) v1(305.22,88) v1(305.22,107.4)
  Bottom w0.2: U4.34 23.08,58.14 22.83,57.89 22.83,55.97 24.73,54.07 24.73,41.23 26.55,39.41 35.06,39.41 37.44,37.03 304.27,37.03 v1(305.15,37.91)
  Bottom w0.254: v1(305.22,107.4) 305.35,107.28 MX30.1 ; v1(305.22,69.05) 307.07,69.05 MX83.1 ; MX73.1 306.97,88 v1(305.22,88) ; v1(305.19,30.92) 307.04,30.92 MX97.1 ; v1(305.15,49.97) 307.04,49.97 MX93.1 ; v1(305.26,12.11) 307.12,12.11 MX91.1
Col17: length 432.5
  Top w0.2: v1(324.2,39.37) 324.12,39.29
  Top w0.254: v1(324.17,12.11) 324.17,31.17 v1(324.2,31.2) v1(324.2,39.37) 324.2,49.97 v1(324.13,50.04) 324.13,69.16 v1(324.06,69.23) 324.06,88.38 v1(324.1,88.42) 324.1,107.25 v1(323.99,107.36)
  Bottom w0.2: v1(324.2,39.37) 323.16,38.33 306.98,38.33 305.33,36.68 37.3,36.68 34.92,39.06 26.4,39.06 24.38,41.08 24.38,45.4 ; U4.35 22.96,58.54 22.48,58.06 22.48,55.83 24.38,53.93 24.38,45.42
  Bottom w0.254: v1(324.06,69.23) 326.2,69.23 MX84.1 ; v1(323.99,107.36) 326.17,107.36 MX58.1 ; MX92.1 324.26,12.03 v1(324.17,12.11) ; MX94.1 326.16,50.04 v1(324.13,50.04) ; v1(324.1,88.42) 326.06,88.42 MX77.1 ; MX98.1 326.13,31.2 v1(324.2,31.2)
